# Allegro board 1155000-zp-dic_pda_8ch_board_v002.brd (continued)
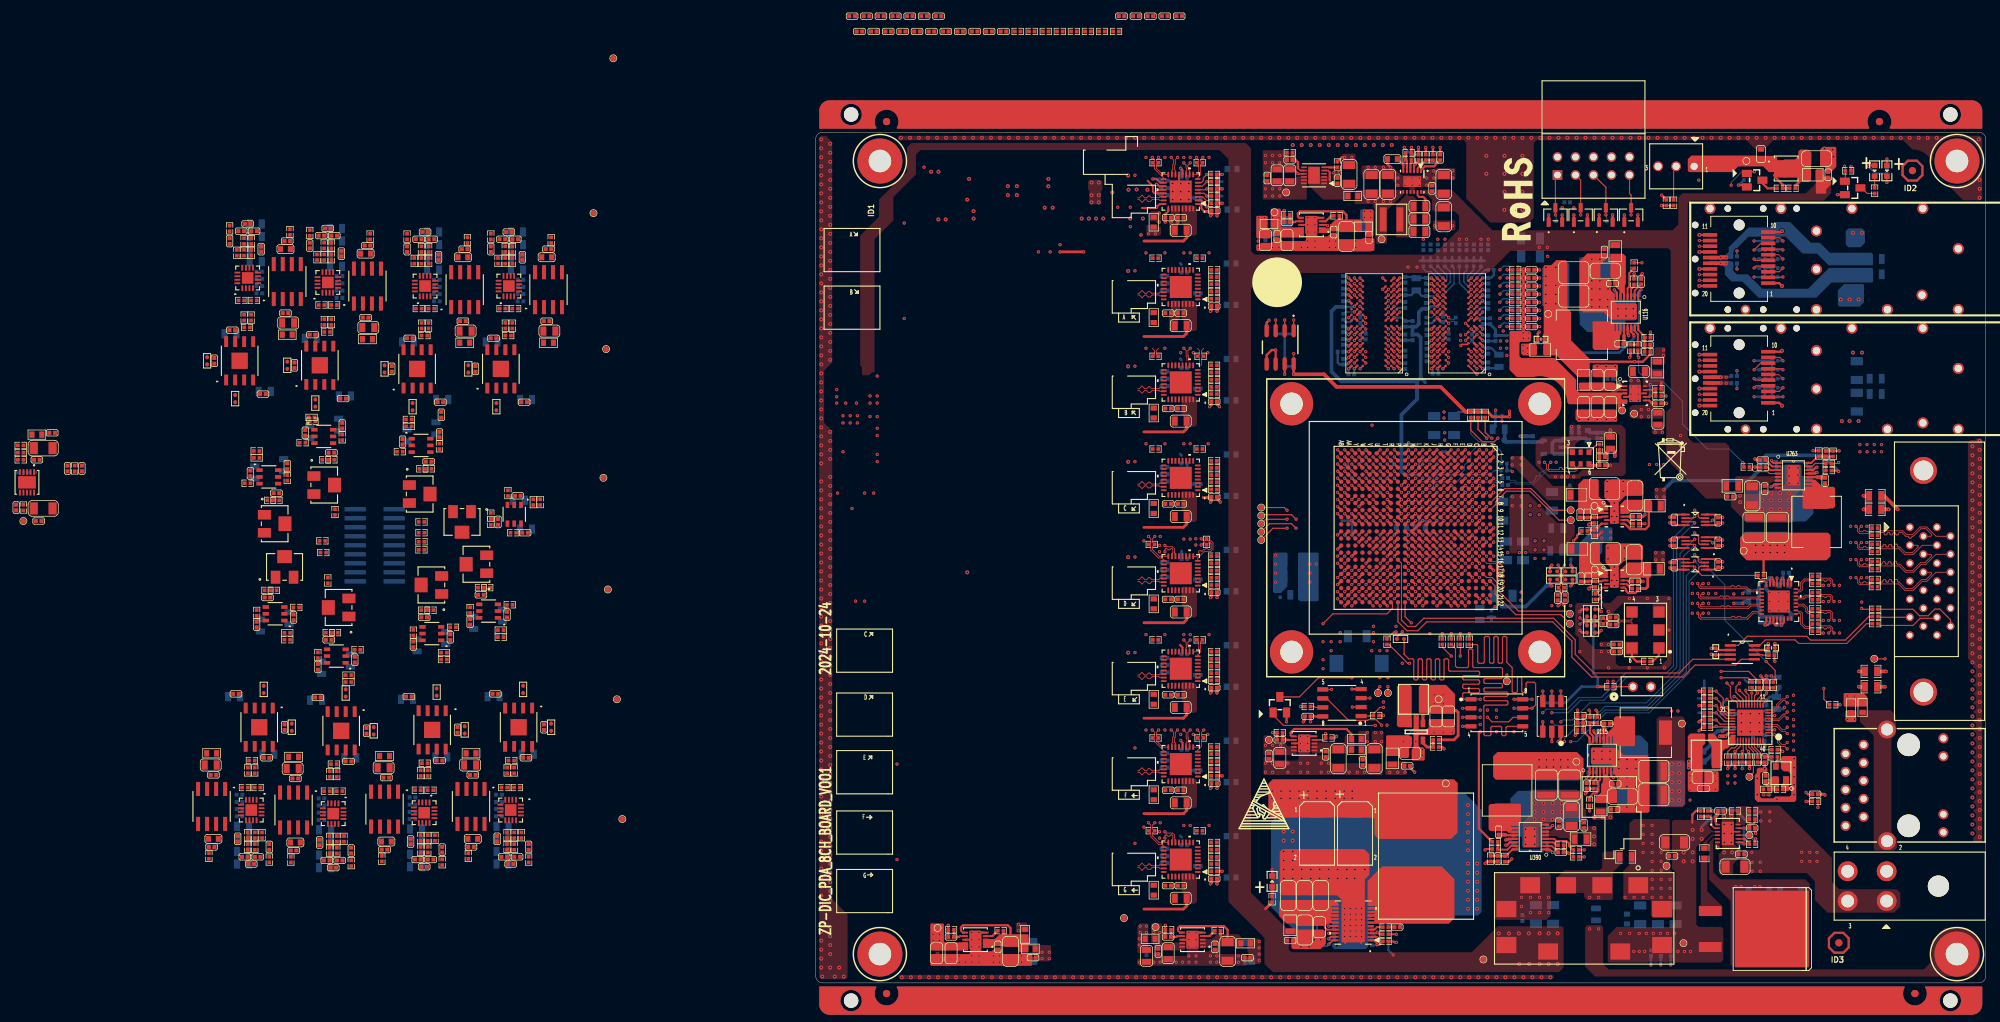
[diagram p0: board, top side]
## Routing (per net, layer and track width the routed paths; a pad name or vN(x,y) marks a point on that pad's centre or on a via; arc(x,y) is an arc through that point) (continued)
N22968119: length 3.7
  TOP w0.102: U271.32 138.44,55.55 138.56,55.42 138.76,55.42 138.86,55.53 138.86,56.44 139.39,56.97 140.16,56.97 R2213.1
N23032570: length 2.6
  TOP w0.229: U129.7 66.72,34.28
  TOP w0.305: R2137.1 C2477.1 66.34,34.29 66.35,34.28 66.72,34.28
N23032940: length 84.1
  TOP w0.229: v1(71.91,35.18) R1150.2 71.65,34.28 U129.4
  TOP w0.254: U127.3 72.06,106.93 v1(72.18,106.81)
  ART06 w0.114: v1(71.91,35.18) 71.17,35.92 71.17,38.74 60.88,49.02 60.88,92.71 71.55,103.38 71.55,106.17 v1(72.18,106.81)
N23136071: length 1.4
  TOP w0.152: U1.K18 v1(86.6,57.19)
  BOTTOM w0.152: v1(86.6,57.19) 87.1,57.68 R276.1
N23136114: length 23
  TOP w0.152: U1.J19 v1(87.6,57.19) ; TP112.1 v1(97.46,43.43)
  ART08 w0.102: v1(87.6,57.19) 87,56.59 87,53.59 86.93,53.52 86.93,50.91 87.25,50.6 87.25,48.56 87.68,48.13 92.76,48.13 v1(97.46,43.43)
N23142000: length 1.4
  TOP w0.381: v1(88.6,73.19) U1.H2
  BOTTOM w0.381: v1(88.6,73.19) 88.6,73.19 R165.1
N23143795: length 12.7
  TOP w0.152: v1(67.74,65.41) 67.1,66.04 62.96,66.04 TP116.1 ; U1.AB12 v1(73.6,63.19)
  ART08 w0.102: v1(73.6,63.19) 70.59,63.19 68.37,65.41 v1(67.74,65.41)
N23143798: length 17.8
  TOP w0.152: U1.V13 v1(77.6,62.19) ; v1(66.47,66.68) 66.09,67.06 TP133.1
  ART08 w0.102: v1(66.47,66.68) 67.74,66.68 70.81,63.6 73.99,63.6 74.09,63.5 74.09,62.97 74.32,62.74 77.06,62.74 v1(77.6,62.19)
N23143801: length 23.3
  TOP w0.152: U1.V12 v1(77.6,63.19) ; v1(66.47,64.14) 64.48,64.14 TP134.1
  ART08 w0.102: v1(66.47,64.14) 68.78,61.82 74.88,61.82 75.48,61.21 77.97,61.21 78.36,61.6 78.94,61.6 79.14,61.8 79.88,61.8 80.06,61.98 80.06,62.36 79.68,62.74 79.29,62.74 78.84,63.19 v1(77.6,63.19)
N23143804: length 20
  TOP w0.152: v1(66.47,65.41) 63.47,65.41 TP135.1 ; U1.T13 v1(79.6,62.19)
  ART08 w0.102: v1(79.6,62.19) 79.21,62.19 78.79,62.61 78.28,62.61 78.15,62.48 78.15,62.1 77.84,61.8 76.3,61.8 75.61,62.48 70.79,62.48 68.5,64.77 67.1,64.77 v1(66.47,65.41)
N23143807: length 18.5
  TOP w0.152: U1.U13 v1(78.6,62.19) ; v1(67.74,64.14) 67.1,64.77 63.97,64.77 TP136.1
  ART08 w0.102: v1(67.74,64.14) 69.77,62.1 75.48,62.1 75.99,61.6 75.99,61.59 78,61.59 v1(78.6,62.19)
N23147759: length 2.9
  TOP w0.152: v1(132.32,83.96) 132.6,84.23 P4.4
  BOTTOM w0.152: R2145.2 v1(132.32,83.96)
N23147768: length 3
  TOP w0.152: P4.9 135.93,88.23 v1(136.39,87.77)
  BOTTOM w0.152: R2150.2 v1(136.39,87.77)
N23147772: length 2.9
  TOP w0.152: v1(136.39,86.5) 136.26,86.63 P4.7
  BOTTOM w0.152: R2149.2 v1(136.39,86.5)
N23147776: length 3.1
  TOP w0.102: v1(136.39,85.23) 135.79,85.83 P4.6
  BOTTOM w0.152: R2148.2 v1(136.39,85.23)
N23147795: length 2.8
  TOP w0.152: v1(136.39,82.69) 136.33,82.63 P4.2
  BOTTOM w0.152: R2146.2 v1(136.39,82.69)
N23147800: length 2.8
  TOP w0.152: P4.5 132.52,85.03 v1(132.32,85.23)
  BOTTOM w0.152: R2144.2 v1(132.32,85.23)
N23169457: length 19.7
  TOP w0.381: U1.J4 v1(87.6,72.19)
  ART06 w0.254: v1(87.6,72.19) 87.12,72.68 87.12,77.04 88.82,78.74 93.82,78.74 v1(95.88,80.8)
  BOTTOM w0.381: v1(95.88,80.8) 95.84,80.76 C2483.1 95.84,78.48 L287.1 ; C2482.1 88.11,72.69 v1(87.6,72.19)
N23170636: length 4
  TOP w0.356: C2450.2 L282.1 110.52,75.31 110.54,75.29 R2121.2
  TOP w0.381: C2450.2 109.24,73.03 U270.6
N23170831: length 1.9
  TOP w0.152: U270.1 110.14,75.97 R2121.1
N23196826: length 1.8
  TOP w0.152: R2153.2 70.32,38.99 70.45,38.86 U273.7
N23503581: length 0.8
  TOP w0.381: C3286.2 55.79,54.48 v1(55.67,54.36)
N23504848: length 0.8
  TOP w0.381: C3302.2 55.79,81.53 v1(55.55,81.28)
N23506117: length 7.8
  TOP w0.254: 54.78,108.84 54.4,109.22 54.4,109.63 54.15,109.88 U384.1 ; U384.19 48.45,112.38 48.18,112.65 v1(48.05,112.65) ; U384.20 48.08,111.88 v1(48.07,111.9)
  TOP w0.381: 54.78,108.84 55.69,108.84 C3356.2 55.79,108.32 v1(55.67,108.2)
  BOTTOM w0.305: v1(48.07,111.9) 48.07,111.49 48.43,111.13 C3357.2 ; C3358.2 48.67,112.14 48.16,112.65 v1(48.05,112.65)
  vias: v1(48.43,108.59) v1(48.43,107.32)
N23506125: length 8.6
  TOP w0.254: 49.45,108.59 49.73,108.87 U384.25 ; v1(55.16,109.47) 55.16,109.6 54.38,110.38 U384.2 ; U384.18 48.58,112.88 48.05,113.41 v1(47.54,113.41)
  TOP w0.305: v1(49.3,107.32) C3360.2 49.3,108.44 49.45,108.59
  BOTTOM w0.381: C3361.2 54.3,110.34 v1(55.16,109.47) ; v1(47.54,113.41) 48.54,113.41 C3359.2
N23506161: length 2.3
  TOP w0.152: R3140.2 55.4,110.36 55.1,110.36 54.58,110.88 U384.3
N23506234: length 3.5
  TOP w0.254: 46.8,113.16 47.54,112.41 47.54,111.64 47.8,111.38 U384.21
N23507395: length 0.8
  TOP w0.381: C3315.2 55.79,41.01 v1(55.67,40.89)
N23508661: length 0.8
  TOP w0.381: C3329.2 55.79,94.86 v1(55.67,94.74)
N23509928: length 0.8
  TOP w0.381: v1(55.67,27.43) 55.79,27.55 C3342.2
N23511196: length 0.8
  TOP w0.381: C3372.2 55.79,14.09 v1(55.67,13.97)
N23531871: length 3.7
  TOP w0.102: U271.31 138.46,55.05 138.58,55.17 138.86,55.17 139.11,55.42 139.11,56.34 139.49,56.72 140.16,56.72 R2214.1
N23531940: length 2.6
  TOP w0.102: R2215.1 140.16,54.69 139.51,54.69 139.25,54.42 138.56,54.42 138.44,54.55 U271.30
N23531952: length 2.6
  TOP w0.102: U271.29 138.44,54.05 138.56,54.17 139.36,54.17 139.62,54.43 140.16,54.43 R2216.1
N23531995: length 3.2
  TOP w0.102: U271.28 138.44,53.55 138.56,53.42 139.34,53.42 139.87,52.89 139.87,52.5 139.98,52.4 140.16,52.4 R2217.1
N23532007: length 3.2
  TOP w0.102: R2218.1 140.16,52.15 139.87,52.15 139.62,52.4 139.62,52.78 139.23,53.17 138.56,53.17 138.44,53.05 U271.27
N23532050: length 4.3
  TOP w0.102: R2219.1 140.16,50.24 139.62,50.24 139.11,50.75 139.11,52.17 138.86,52.42 138.58,52.42 138.46,52.55 U271.26
N23532062: length 4.3
  TOP w0.102: U271.25 138.45,52.05 138.58,52.17 138.76,52.17 138.86,52.07 138.86,50.64 139.51,49.99 140.16,49.99 R2220.1
N23538900: length 15.2
  TOP w0.152: TP102.1 105.96,52.45 99.11,52.45 96.19,55.37 96.19,56.39 95.38,57.19 94.6,57.19 U1.B18
N23538909: length 14.4
  TOP w0.152: U1.A19 95.8,55.99 95.8,54.86 98.73,51.94 105.08,51.94 TP103.1
N23539881: length 23.9
  TOP w0.152: R834.2 v1(141.33,24.77)
  ART08 w0.102: v1(141.33,24.77) 141.33,23.56 143.81,21.08 148.38,21.08 152.32,25.02 155.24,25.02 J6.11
N23546000: length 1.9
  TOP w0.254: v1(134.72,69.98) 134.8,69.98 135.17,70.35 U263.7
  BOTTOM w0.305: v1(134.72,69.98) 134.84,70.11 R2253.2
N23547065: length 8.1
  BOTTOM w0.508: L288.2 108.59,76.82 C2487.2 C2486.1 106.55,76.77 105.46,76.77 U272.1 104.25,76.51 103.89,76.16 103.89,74.85 104.12,74.62 U272.3
N23561603: length 10.8
  TOP w0.254: 51.1,7.49 51.1,7.37 51.37,7.1 U133.6
  TOP w0.305: C1339.1 58.09,7.49 57.58,8 51.35,8 51.1,7.75 51.1,7.49 ; 57.09,6.65 R2083.2
N23561705: length 2
  TOP w0.254: U133.4 55.28,6.6
  TOP w0.305: R2083.1 55.52,6.6 55.28,6.6
N23561717: length 2.6
  TOP w0.254: R2139.1 C1340.1 50.85,6.48 50.97,6.6 U133.7
N23565715: length 3.5
  BOTTOM w0.305: R1138.1 84.78,36.22 82.85,34.29 v1(82.85,34.04)
N23565751: length 2
  TOP w0.381: U124.1 v1(85.63,37.65)
  BOTTOM w0.305: v1(85.63,37.65) 85.58,37.59 R1138.2
N23565779: length 3.1
  TOP w0.381: R1129.2 R1130.1 86.2,33.27 85.63,33.84 U124.5
N23580868: length 21.3
  TOP w0.152: U1.R16 v1(80.6,59.19) ; v1(80.69,41.78) TP104.1
  ART08 w0.102: v1(80.69,41.78) 80.69,42.29 81.15,42.75 81.15,50.62 82.75,52.22 82.75,55.85 82.31,56.3 82.31,58.43 81.94,58.8 81,58.8 v1(80.6,59.19)
N23580877: length 22.4
  TOP w0.152: TP105.1 79.29,41.53 v1(79.55,41.78) ; U1.T16 v1(79.6,59.19)
  ART08 w0.102: v1(79.55,41.78) 80.06,42.29 80.06,47.24 80.74,47.93 80.74,50.72 82.42,52.4 82.42,55.78 82.01,56.19 82.01,58.37 81.79,58.59 80.21,58.59 v1(79.6,59.19)
N23582125: length 2.1
  TOP w0.152: R2598.1 133.52,46.23 133.45,46.31 U154.6
N23591059: length 3.1
  TOP w0.229: 84.99,115.03 84.87,114.9 U236.2
  TOP w0.254: R3200.2 R1884.2
  TOP w0.305: 84.99,115.03 R1884.2
N23657801:
  vias: v1(5.76,81.79)
N23664417: length 113.9
  TOP w0.152: Q10.1 64.5,37.78 65.96,36.32 v1(78.91,36.32) ; R3011.2 v1(119.91,82.78)
  ART03 w0.102: v1(119.91,82.78) 120.57,82.12 120.57,73.79 122.73,71.63 122.73,60.81 123.58,59.96 125,59.96 128.55,56.41 128.55,46.66 123.62,41.73 123.62,41.28 v1(120.7,38.35)
  ART08 w0.102: v1(78.91,36.32) 78.91,35.94 79.36,35.5 79.36,35.01 79.85,34.52 91.84,34.52 93.19,33.17 106.24,33.17 111.43,38.35 v1(120.7,38.35)
N23714361: length 2.3
  TOP w0.305: U390.12 97.34,20.82 97.26,20.91
  TOP w0.508: 97.26,20.91 C3387.2
N23714381: length 3.7
  TOP w0.254: R3188.2 R3201.2 96.29,18.8 97.53,18.8 98.06,19.32 U390.15
N23714562: length 3
  TOP w0.254: U390.1 103.5,18.82 v1(103.91,18.42)
  BOTTOM w0.381: R3193.2 R3192.1 103.68,18.64 v1(103.91,18.42)
N23714578: length 2.1
  TOP w0.254: U390.2 103.79,19.32 104.68,18.44 C3393.1
N23714614: length 3.8
  TOP w0.254: U390.16 98.25,18.82 97.32,17.9 R3197.1 97.16,17.93 C3392.1 R3191.1
N23714631: length 7
  TOP w0.305: v1(97.31,20.16) 97.44,20.16 97.47,20.19 97.58,20.19 97.71,20.32 U390.13
  BOTTOM w0.381: R3192.2 99.41,18.64 C3394.1 97.88,20.16 v1(97.31,20.16)
N23714691: length 1.9
  TOP w0.254: U390.3 104,19.82 104.4,19.43 R3195.1
N23714693: length 1.9
  TOP w0.254: v1(103.92,22.19) 103.55,21.82 U390.7
  BOTTOM w0.305: R3196.2 103.79,22.07 v1(103.92,22.19)
N23716769: length 5.8
  TOP w0.152: R3189.2 106.82,17.79 R3198.2
  TOP w0.254: U390.4 104.14,20.32 104.43,20.04 105.87,20.04 106.22,19.69 106.22,19.3 106.76,18.77 R3189.2
N23718317: length 1.5
  TOP w0.356: R1198.1 138.14,112.44 138.93,113.23
N23718389: length 3.2
  TOP w0.305: Q20.4 135.3,113.67 136.36,112.61 R2129.1 R1198.2
N23718426: length 2.8
  TOP w0.305: R2129.2 134.21,112.09 133.5,112.8 Q21.3
N23718455: length 3
  TOP w0.152: v1(132.38,114.43) 132.37,114.44 131.56,114.44 Q21.1
  BOTTOM w0.152: v1(132.38,114.43) 131.71,114.43 R1197.1 R1196.1
N23721389: length 14.4
  TOP w0.152: U1.A9 95.93,67.52 95.93,67.9 97.39,69.36 100.74,69.36 104.82,65.28 TP158.1
N23721398: length 13.5
  TOP w0.152: U1.A8 97.14,69.72 100.88,69.72 103.93,66.68 TP159.1
N23755096: length 11.1
  TOP w0.254: U391.6 20.76,7.1 20.49,7.37 20.49,7.49
  TOP w0.305: C3413.1 27.48,7.75 27.1,8.13 20.8,8.13 20.49,7.82 20.49,7.49 ; 26.48,6.62 R3204.2
N23755194: length 2
  TOP w0.254: U391.4 24.68,6.6
  TOP w0.305: 24.68,6.6 24.91,6.6 R3204.1
N23755206: length 2.6
  TOP w0.254: R3203.1 C3418.1 20.24,6.48 20.36,6.6 U391.7
N23756584: length 2
  TOP w0.203: 72.49,114.38 72.27,114.59 U392.5
  TOP w0.305: 72.49,113.21 72.49,114.38
N23756696: length 1.9
  TOP w0.203: U392.6 72.35,115.04
  TOP w0.305: R3205.2 73.58,115.04 72.35,115.04
N23756700: length 2.7
  TOP w0.203: U392.8 68.33,114.59 67.99,114.94
  TOP w0.305: 67.99,114.94 67.99,115.77 67.69,116.08 C3424.1
N23798265: length 2.8
  TOP w0.229: U236.11 84.87,111.1 85.1,110.87
  TOP w0.305: 85.1,110.87 85.68,110.87 85.99,110.57 C2089.1
N23798472: length 2.1
  TOP w0.229: U236.6 82.87,114.95
  TOP w0.305: 82.87,114.95 82.87,115.36 C2087.1
N23798476: length 1.7
  TOP w0.229: U236.4 83.87,114.94
  TOP w0.305: 83.87,114.94 83.87,115.57 84.01,115.72 R1882.1
N23798530: length 2.7
  TOP w0.229: U236.5 83.37,114.96
  TOP w0.305: R1883.1 R1882.2 83.37,115.92 83.37,114.96
N23798539: length 3.4
  TOP w0.229: 85.64,114.94 85.37,114.66 U236.1
  TOP w0.305: C2088.2 87.19,115.19 85.9,115.19 85.64,114.94
N23798561: length 2.7
  TOP w0.229: U236.3 84.37,114.98
  TOP w0.305: R1885.2 85.01,115.95 v1(84.5,115.44) 84.37,115.31 84.37,114.98
  BOTTOM w0.305: v1(84.5,115.44) 85.01,115.95 R1885.2
N23828553: length 10.5
  TOP w0.254: 67.99,108.33 67.99,108.08 68.13,107.93 U127.6
  TOP w0.305: 73.85,107.55 R3255.1 ; 67.99,108.33 67.99,108.53 68.3,108.84 74.34,108.84 74.85,108.33 C3051.1
N23828667: length 2
  TOP w0.254: U127.4 71.92,107.43
  TOP w0.305: R3255.2 72.69,108.2 71.92,107.43
N23828679: length 2.6
  TOP w0.254: R2254.1 C3015.1 67.61,107.32 67.73,107.43 U127.7

## Copper pours and planes (outline as drawn; the poured copper is in the pictures)
GND on TOP (solid shape): 113.12,87.1 113.12,85.7 112.87,85.45 109.82,85.45 109.57,85.7 109.57,87.1 109.68,87.21 113.01,87.21
GND on TOP (solid shape): 113,80.62 113,79.22 112.93,79.16 107.5,79.16 107.15,79.5 107.15,80.75 107.28,80.87 112.74,80.87
GND on TOP (solid shape): 148.26,40.39 148.26,39.12 148.13,38.99 145.08,38.99 144.95,39.12 144.95,40.77 145.08,40.89 147.75,40.89
GND on TOP (solid shape): 143.91,117.81 143.91,115.14 143.02,114.25 142.52,114.25 142.39,114.38 142.39,115.01 142.26,115.14 141.75,115.14 141.63,115.27 141.63,117.55 142.01,117.93 143.79,117.93
GND on TOP (solid shape): 116.68,70.61 116.68,68.96 116.43,68.71 114.14,68.71 113.24,67.81 113.24,67.58 113.23,67.56 113.23,64.9 113.12,64.8 112.11,64.8 112.01,64.9 112.01,67.69 111.22,68.48 111.22,70.74 111.47,70.99 116.3,70.99
GND on TOP (solid shape): 116.68,61.6 116.68,59.94 116.43,59.69 114.14,59.69 113.24,58.79 113.24,58.56 113.23,58.55 113.23,55.88 113.12,55.78 112.11,55.78 112.01,55.88 112.01,58.67 111.38,59.3 111.38,61.71 111.65,61.98 116.3,61.98
GND on TOP (solid shape): 85.06,37.72 85.06,37.11 85.01,37.06 85.01,35.94 85.13,35.81 86.2,35.81 86.45,36.07 86.45,37.08 86.58,37.21 90.01,37.21 90.14,37.08 90.14,35.18 89.93,34.98 85.11,34.98 85.01,34.87 85.01,33.43 85.17,33.26 85.58,33.26 85.88,32.96 85.88,31.5 85.76,31.37 84.17,31.37 84.04,31.5 84.04,32.89 84.32,33.17 84.32,37.74 84.42,37.85 84.93,37.85
GND on TOP (solid shape): 23.29,7.24 23.29,4.7 23.54,4.45 24.81,4.45 25.32,4.95 25.95,4.95 26.21,4.7 26.21,4.32 26.46,4.06 30.4,4.06 30.53,3.94 30.53,2.54 30.4,2.41 16.3,2.41 16.18,2.54 16.18,3.94 16.3,4.06 21.64,4.06 21.76,4.19 21.76,7.24 21.89,7.37 23.16,7.37
GND on TOP (solid shape): 111.71,102.77 111.71,102.39 110.66,101.35 110.66,99.57 110.79,99.44 111.74,99.44 112.11,99.07 112.11,97.71 112.64,97.18 112.63,97.12 112.63,96.43 112.64,96.37 112.64,96.11 112.89,95.86 115.66,95.86 115.79,95.73 115.79,93.7 115.66,93.57 112.2,93.57 111.18,94.59 108.25,94.59 107.73,95.11 107.73,101.82 108.8,102.89 111.59,102.89
GND on TOP (solid shape): 113.92,32.13 117.19,32.13 117.57,31.75 117.57,24.18 117.39,24 112.95,24 112.82,24.13 112.82,24.89 113.08,25.15 114.22,25.15 114.47,25.4 114.47,27.18 114.35,27.31 113.38,27.31 113,27.69 113,29.01 112.47,29.54 112.47,29.6 112.47,30.29 112.47,30.35 112.47,30.61 112.21,30.86 109.44,30.86 109.31,30.99 109.31,33.02 109.44,33.15 112.91,33.15
GND on TOP (solid shape): outline of 100 points within 62.15,103.25 78.79,108.2
GND on BOTTOM (solid shape): 66.51,60.58 66.51,55.93 65.58,54.99 64.69,54.99 64.48,55.2 64.48,60.5 64.69,60.71 66.39,60.71
GND on BOTTOM (solid shape): 107.98,26.89 107.98,22.83 107.86,22.7 102.65,22.7 102.52,22.58 102.52,19.4 102.27,19.15 99.73,19.15 99.6,19.27 99.6,20.54 99.47,20.67 98.08,20.67 97.95,20.8 97.95,26 99.03,27.08 100.55,27.08 100.62,27.15 107.73,27.15
GND on BOTTOM (solid shape): 139.04,72.9 139.04,71.63 139.16,71.5 140.56,71.5 140.69,71.38 140.69,66.17 139.61,65.09 138.08,65.09 138.02,65.03 131.11,65.03 130.99,65.15 130.98,65.15 130.98,69.35 131.11,69.47 135.99,69.47 136.11,69.6 136.11,72.77 136.37,73.03 138.91,73.03
GND on BOTTOM (solid shape): 112.11,102.19 112.11,96.49 112.23,96.37 115.41,96.37 115.66,96.11 115.66,93.57 115.54,93.45 114.27,93.45 114.14,93.32 114.14,91.92 114.01,91.8 108.81,91.8 107.73,92.88 107.73,94.4 107.66,94.46 107.66,102.15 107.87,102.36 111.93,102.36
GND on BOTTOM (solid shape): 117.38,33.85 117.38,32.32 117.44,32.26 117.44,24.69 117.31,24.55 113.46,24.55 113,25.02 113,30.23 112.87,30.35 109.69,30.35 109.44,30.61 109.44,33.15 109.57,33.27 110.84,33.27 110.96,33.4 110.96,34.8 111.09,34.93 116.3,34.93
GND on BOTTOM (solid shape): outline of 103 points within 64.23,4.77 93.9,26.67
GND on TOP: 104.06,0.76 104.06,1.02 103.93,1.14 11.86,1.14 11.73,1.02 11.73,0.64 11.86,0.51 103.81,0.51
GND on TOP: 119.58,77.58 119.58,79.02 119.45,79.15 118.08,79.15 117.9,78.97 117.9,77.58 118.11,77.37 119.38,77.37
GND on TOP: 163.24,19.94 163.24,44.96 162.48,45.72 162.48,76.2 162.86,76.58 163.5,76.58 163.75,76.84 164.26,76.84 164.49,76.6 164.49,19.94
GND on TOP: 74.09,114.43 73.96,114.55 72.94,114.55 72.82,114.43 72.82,113.41 72.94,113.28 73.96,113.28 74.09,113.41
GND on TOP: 114.73,82.04 114.85,81.92 116.12,81.92 116.38,82.17 116.38,84.96 115.65,85.7 115.65,86.92 115.59,86.98 114.87,86.98 114.73,86.85
GND on TOP: 95.11,107.25 91.74,110.62 91.74,118.49 91.36,118.87 11.73,118.87 11.6,119 11.6,119.36 11.73,119.49 164,119.49 164.35,119.35 164.49,119 164.49,110.74 164.16,110.41 161.8,110.41 153.34,118.87 135.05,118.87 133.52,117.35 132.76,117.35 131.24,118.87 101.65,118.87 101.27,118.49 101.27,107.95 100.57,107.25
GND on TOP: 49.07,3.81 52.24,3.81 52.37,3.94 52.37,7.24 52.5,7.37 53.77,7.37 53.89,7.24 53.89,4.7 54.15,4.45 55.42,4.45 55.93,4.95 56.56,4.95 56.82,4.7 56.82,4.32 57.07,4.06 60.63,4.06 60.75,3.94 60.75,2.54 60.63,2.41 45.51,2.41 45.39,2.54 45.39,3.3 45.51,3.43 47.42,3.43 47.67,3.68 47.67,4.19 47.8,4.32 48.56,4.32
GND on TOP: 64.69,31.37 64.18,31.88 63.29,31.88 63.17,31.75 63.17,29.46 63.29,29.34 79.8,29.34 79.93,29.46 79.93,30.86 79.8,30.99 72.82,30.99 72.56,31.24 72.56,32 72.44,32.13 69.77,32.13 69.64,32.26 69.64,34.93 69.52,35.05 68.25,35.05 68.12,34.93 68.12,31.62 67.86,31.37
GND on TOP: 137.89,68.55 137.89,65.28 137.51,64.9 131.34,64.9 129.08,67.16 129.08,68.83 129.21,68.96 133.07,68.96 133.57,69.47 134.77,69.47 135.3,70 135.36,70 136.05,70 136.11,70 136.37,70 136.62,70.25 136.62,73.03 136.75,73.16 138.78,73.16 138.91,73.03 138.91,69.56
GND on TOP: 95.85,15.49 103.3,15.49 103.68,15.11 103.68,9.53 103.04,8.89 95.98,8.89 95.72,9.14 95.72,15.37
GND on TOP: 100.74,23.63 100.74,26.89 101.12,27.27 107.3,27.27 108.27,26.31 108.27,24.75 108.63,24.38 108.63,22.48 108.5,22.35 108.12,22.35 108,22.48 108,23.08 107.87,23.21 105.57,23.21 105.06,22.7 103.86,22.7 103.34,22.17 103.27,22.18 102.59,22.18 102.52,22.17 102.27,22.17 102.01,21.92 102.01,19.15 101.89,19.02 99.85,19.02 99.73,19.15 99.73,22.61
GND on TOP: 82.6,113.92 81.2,115.32 77.14,115.32 77.01,115.19 77.01,113.54 77.14,113.41 81.2,113.41 81.83,112.78 81.83,112.4 81.96,112.27 83.61,112.27 83.74,112.14 83.74,111.38 83.87,111.25 84.37,111.25 84.5,111.38 84.5,112.14 84.63,112.27 87.3,112.27 87.42,112.4 87.42,113.16 87.55,113.28 90.09,113.28 90.22,113.41 90.22,114.81 90.09,114.94 86.66,114.94 85.64,113.92
GND on TOP: 109.9,44.2 107.62,46.48 107.62,48.64 107.11,49.15 107.11,53.34 107.36,53.59 112.06,53.59 113.08,54.61 120.44,54.61 120.7,54.36 120.7,44.96 119.93,44.2 ; 1 cut-out
GND on TOP: 51.35,109.6 51.23,109.73 50.21,109.73 50.08,109.6 50.08,108.38 49.83,108.13 49.83,105.54 50.08,105.28 50.97,105.28 51.1,105.41 51.1,106.93 51.35,107.19
GND on TOP: 40.43,113.03 40.43,111.89 40.25,111.71 40.25,109.91 40.18,109.83 38.65,109.83 38.58,109.91 38.58,111.7 38.58,111.73 38.4,111.91 38.4,113.03 38.65,113.28 40.18,113.28
GND on TOP: 87.17,107.57 87.04,107.44 87.04,106.3 87.17,106.17 90.09,106.17 90.22,106.3 90.22,107.44 90.09,107.57
GND on TOP: 74.34,114.81 75.99,114.81 76.12,114.94 76.12,116.84 75.99,116.97 74.34,116.97 74.21,116.84 74.21,114.94
GND on TOP: 103.42,71.12 101.52,73.03 101.52,76.2 102.41,77.09 106.09,77.09 106.22,77.22 106.22,78.49 106.47,78.74 113.58,78.74 114.22,78.11 114.22,71.88 113.84,71.5 108,71.5 108,71.37 107.74,71.12 ; 1 cut-out
GND on TOP: 50.08,91.82 49.83,92.08 49.83,94.67 50.08,94.92 50.08,96.14 50.21,96.27 51.23,96.27 51.35,96.14 51.35,93.73 51.1,93.47 51.1,91.95 50.97,91.82
GND on TOP: 4.24,0.51 1,0.51 0.65,0.65 0.51,1 0.51,6.9 0.51,118.62 0.51,119 0.65,119.35 1,119.49 1.46,119.49 2.33,118.62 2.33,87.5 1.19,86.36 1.19,78.99 2.33,77.85 2.33,11.81 4.49,9.65 4.49,0.76
GND on TOP: 67.61,114.3 64.31,114.3 64.18,114.17 64.18,113.79 64.05,113.67 63.17,113.67 63.04,113.79 63.04,117.35 63.17,117.48 66.59,117.48 66.72,117.35 66.72,115.57 66.85,115.44 67.61,115.44 67.74,115.32 67.74,114.43
GND on BOTTOM: 52.88,113.16 50.21,113.16 50.08,113.03 50.08,110.62 49.83,110.36 49.83,107.19 49.96,107.06 52.62,107.06 53.01,107.44 53.01,113.03
GND on BOTTOM: 78.91,47.24 79.04,47.37 81.07,47.37 81.2,47.24 81.2,42.93 81.07,42.8 79.04,42.8 78.91,42.93
GND on BOTTOM: 124.68,34.04 125.06,34.04 125.19,34.16 125.19,35.31 124.81,35.69 124.81,37.08 124.68,37.21 124.55,37.21 124.3,36.96 124.3,34.42
GND on BOTTOM: 63.17,31.37 63.04,31.24 63.04,29.08 63.29,28.83 69.39,28.83 70.02,29.46 70.02,30.73 69.39,31.37
GND on BOTTOM: 103.81,72.01 107.74,72.01 108,71.76 108,70.87 106.98,69.85 105.84,69.85 104.69,68.71 102.66,68.71 102.66,70.87
GND on BOTTOM: 137.46,55.37 134.29,55.37 134.03,55.12 134.03,52.58 134.29,52.32 137.33,52.32 137.71,52.71 137.71,55.12
GND on BOTTOM: 87.01,99.21 85.34,99.21 85.16,99.03 84.07,99.03 83.76,99.34 82.8,99.34 82.64,99.19 82.16,99.19 82.06,99.29 82.06,101.04 82.26,101.24 84.98,101.24 85.16,101.07 85.16,100.23 85.51,99.87 86.83,99.87 87.09,99.62 87.09,99.29
GND on BOTTOM: 129.38,38.48 129.38,34.04 129.51,33.91 131.03,33.91 131.41,34.29 132.94,34.29 133.32,34.67 134.08,34.67 134.21,34.8 134.21,35.43 133.95,35.69 133.95,37.47 134.59,38.1 136.62,38.1 136.87,38.35 136.87,39.12 136.75,39.24 134.97,39.24 134.46,38.74 129.63,38.74
GND on BOTTOM: 77.01,47.75 77.01,49.78 77.14,49.91 79.17,49.91 79.29,49.78 79.29,47.75 79.17,47.63 77.14,47.63
GND on BOTTOM: 90.64,81.28 86.45,81.28 86.07,80.9 86.07,79.5 86.33,79.25 90.77,79.25 91.03,79.5 91.03,80.9
GND on BOTTOM: 137.33,24.89 137.59,24.64 143.3,24.64 143.56,24.89 143.56,39.5 143.94,39.88 150.8,39.88 151.43,40.51 151.43,69.34 150.92,69.85 141.52,69.85 141.14,69.47 141.14,44.45 139.11,42.42 137.84,42.42 137.33,41.91
GND on BOTTOM: 47.29,4.19 45.51,4.19 45.39,4.06 45.39,2.79 45.51,2.67 57.07,2.67 57.45,3.05 57.45,6.6 56.43,7.62 51.99,7.62 51.48,7.11 51.48,4.45 51.23,4.19 50.85,4.19 50.47,3.81 47.67,3.81
GND on BOTTOM: 126.46,31.24 126.46,28.32 126.59,28.19 127.86,28.19 127.98,28.32 127.98,31.24 127.86,31.37 126.59,31.37
GND on BOTTOM: 97.84,53.59 97.71,53.72 97.71,58.67 97.46,58.93 96.57,58.93 96.44,59.06 96.44,60.07 96.31,60.2 96.31,60.71 96.57,60.96 100.5,60.96 100.63,60.83 100.63,54.36 99.87,53.59
GND on BOTTOM: 147.69,81.67 145.02,81.67 144.14,80.79 144.14,78.75 144.39,78.5 147.18,78.5 147.82,79.13 147.82,81.55
GND on BOTTOM: 116.25,85.47 114.73,85.47 114.47,85.22 114.47,82.17 114.73,81.92 116.25,81.92 116.51,82.17 116.51,85.22
GND on BOTTOM: 61.9,2.29 59.48,2.29 59.36,2.41 59.36,3.94 59.48,4.06 61.9,4.06 62.02,3.94 62.02,2.41
GND on BOTTOM: 99.41,9.27 100.17,9.27 100.55,9.65 104.44,9.65 104.82,10.03 104.82,11.56 104.44,11.94 104.19,11.94 103.68,12.45 99.53,12.45 99.03,11.94 99.03,9.65
GND on BOTTOM: 145.64,89.55 147.56,89.55 147.95,89.17 147.95,87.53 147.29,86.88 145.64,86.88 145.25,87.26 145.25,89.17
GND on BOTTOM: 105.84,116.97 105.58,117.22 103.04,117.22 102.79,116.97 102.79,109.22 102.92,109.09 105.71,109.09 105.84,109.22
GND on BOTTOM: 97.71,67.31 95.8,67.31 95.3,66.8 94.64,66.8 94.41,67.03 94.41,68.33 94.59,68.5 94.59,69.04 94.36,69.27 94.36,69.34 94.48,69.47 97.58,69.47 97.84,69.22 97.84,67.44
GND on GND02: 1.19,0.51 1,0.51 0.65,0.65 0.51,1 0.51,118.94 0.51,119 0.65,119.35 1,119.49 3.22,119.49 3.22,119.49 164,119.49 164.35,119.35 164.49,119 164.49,19.94 143.56,19.94 137.97,25.53 122.98,25.53 121.4,23.94 113.27,23.94 110.16,20.83 110.16,17.27 109.52,16.64 104.19,16.64 103.68,16.13 103.68,12.45 104.19,11.94 104.69,11.94 105.96,10.67 105.96,2.67 103.81,0.51 6,0.51 6,0.51 ; 1 cut-out
GND on ART03: 124.38,105.92 127.17,105.92 127.43,105.66 127.43,98.17 126.79,97.54 126.79,89.54 127.43,88.9 127.43,81.41 126.92,80.9 124.38,80.9 124,81.28 124,105.54
GND on ART03: 111.3,60.07 111.3,52.32 111.93,51.69 111.93,49.53 110.66,48.26 107.36,48.26 106.35,47.24 106.35,43.69 119.17,43.69 120.82,45.34 120.82,49.78 118.28,52.32 116.76,52.32 115.36,53.72 115.36,54.36 113.46,56.26 113.46,59.56 112.7,60.33 111.55,60.33
GND on ART03: 50.21,32.39 53.01,32.39 53.39,32 53.39,29.85 52.75,29.21 50.34,29.21 49.83,29.72 49.83,32
GND on ART03: 50.21,72.77 53.01,72.77 53.39,72.39 53.39,70.87 52.12,69.6 50.34,69.6 49.83,70.1 49.83,72.39
GND on ART03: 49.83,99.31 51.48,100.97 57.83,100.97 59.23,99.57 59.23,96.52 57.07,94.36 51.61,94.36 49.83,96.14
GND on ART03: 52.62,59.06 52.75,58.93 52.75,56.52 52.37,56.13 50.34,56.13 49.83,56.64 49.83,58.93 49.96,59.06
GND on ART03: 50.21,45.85 53.01,45.85 53.39,45.47 53.39,43.31 52.75,42.67 50.34,42.67 49.83,43.18 49.83,45.47
GND on ART03: outline of 135 points within 0.51,0.51 164.49,119.49
GND on GND04: 1.21,0.51 1,0.51 0.65,0.65 0.51,1 0.51,1.21 0.51,118.05 0.51,118.05 0.51,119 0.65,119.35 1,119.49 3.35,119.49 3.35,119.49 164,119.49 164.35,119.35 164.49,119 164.49,20.04 164.38,19.94 143.56,19.94 137.97,25.53 122.98,25.53 121.4,23.94 113.27,23.94 110.16,20.83 110.16,17.27 109.52,16.64 104.19,16.64 103.68,16.13 103.68,12.45 104.19,11.94 104.69,11.94 105.96,10.67 105.96,2.67 103.81,0.51 6,0.51 6,0.51 ; 1 cut-out
GND on POWR05: 50.21,96.77 55.29,96.77 55.55,97.03 55.55,104.14 55.42,104.27 47.54,104.27 47.29,104.01 47.29,102.11 47.54,101.85 49.83,101.85 50.08,101.6 50.08,96.9
GND on POWR05: 50.21,16 55.29,16 55.55,16.26 55.55,23.37 55.42,23.5 47.54,23.5 47.29,23.24 47.29,21.34 47.54,21.08 49.83,21.08 50.08,20.83 50.08,16.13